# KiCad board keyboard.kicad_pcb
title: Entropy; date: 2020-12-25; rev: 0.2; company: Josh Johnson
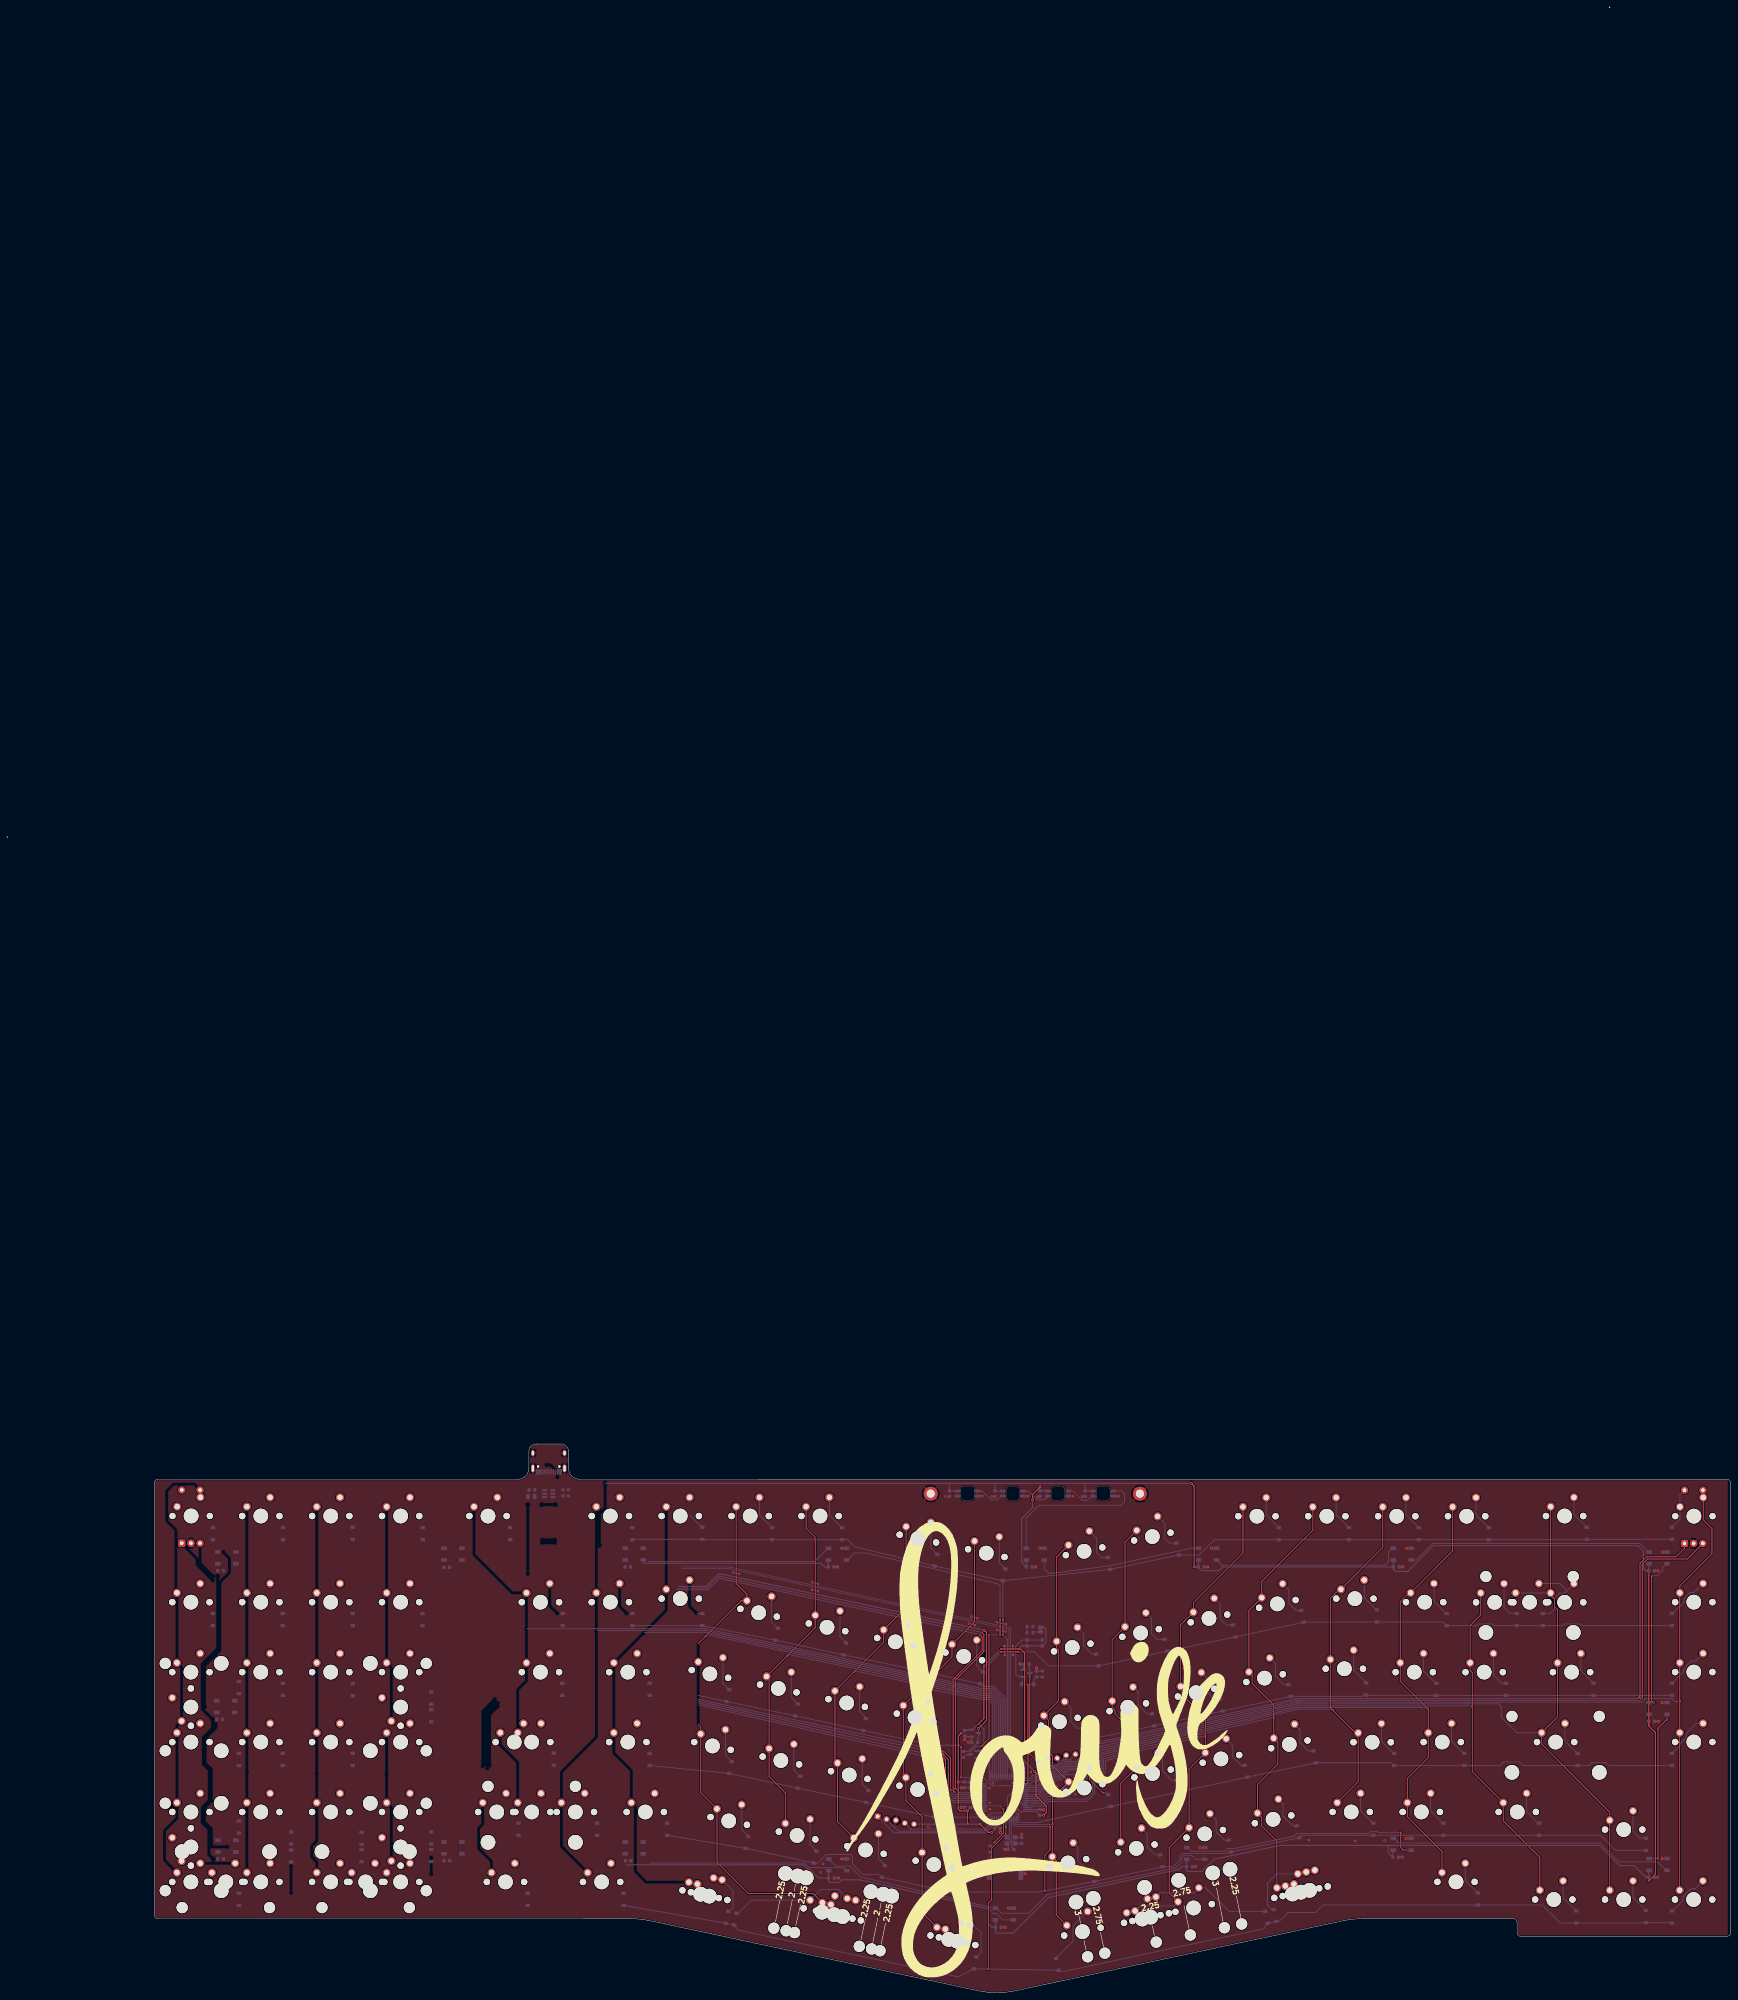
[diagram p0: board, top side]
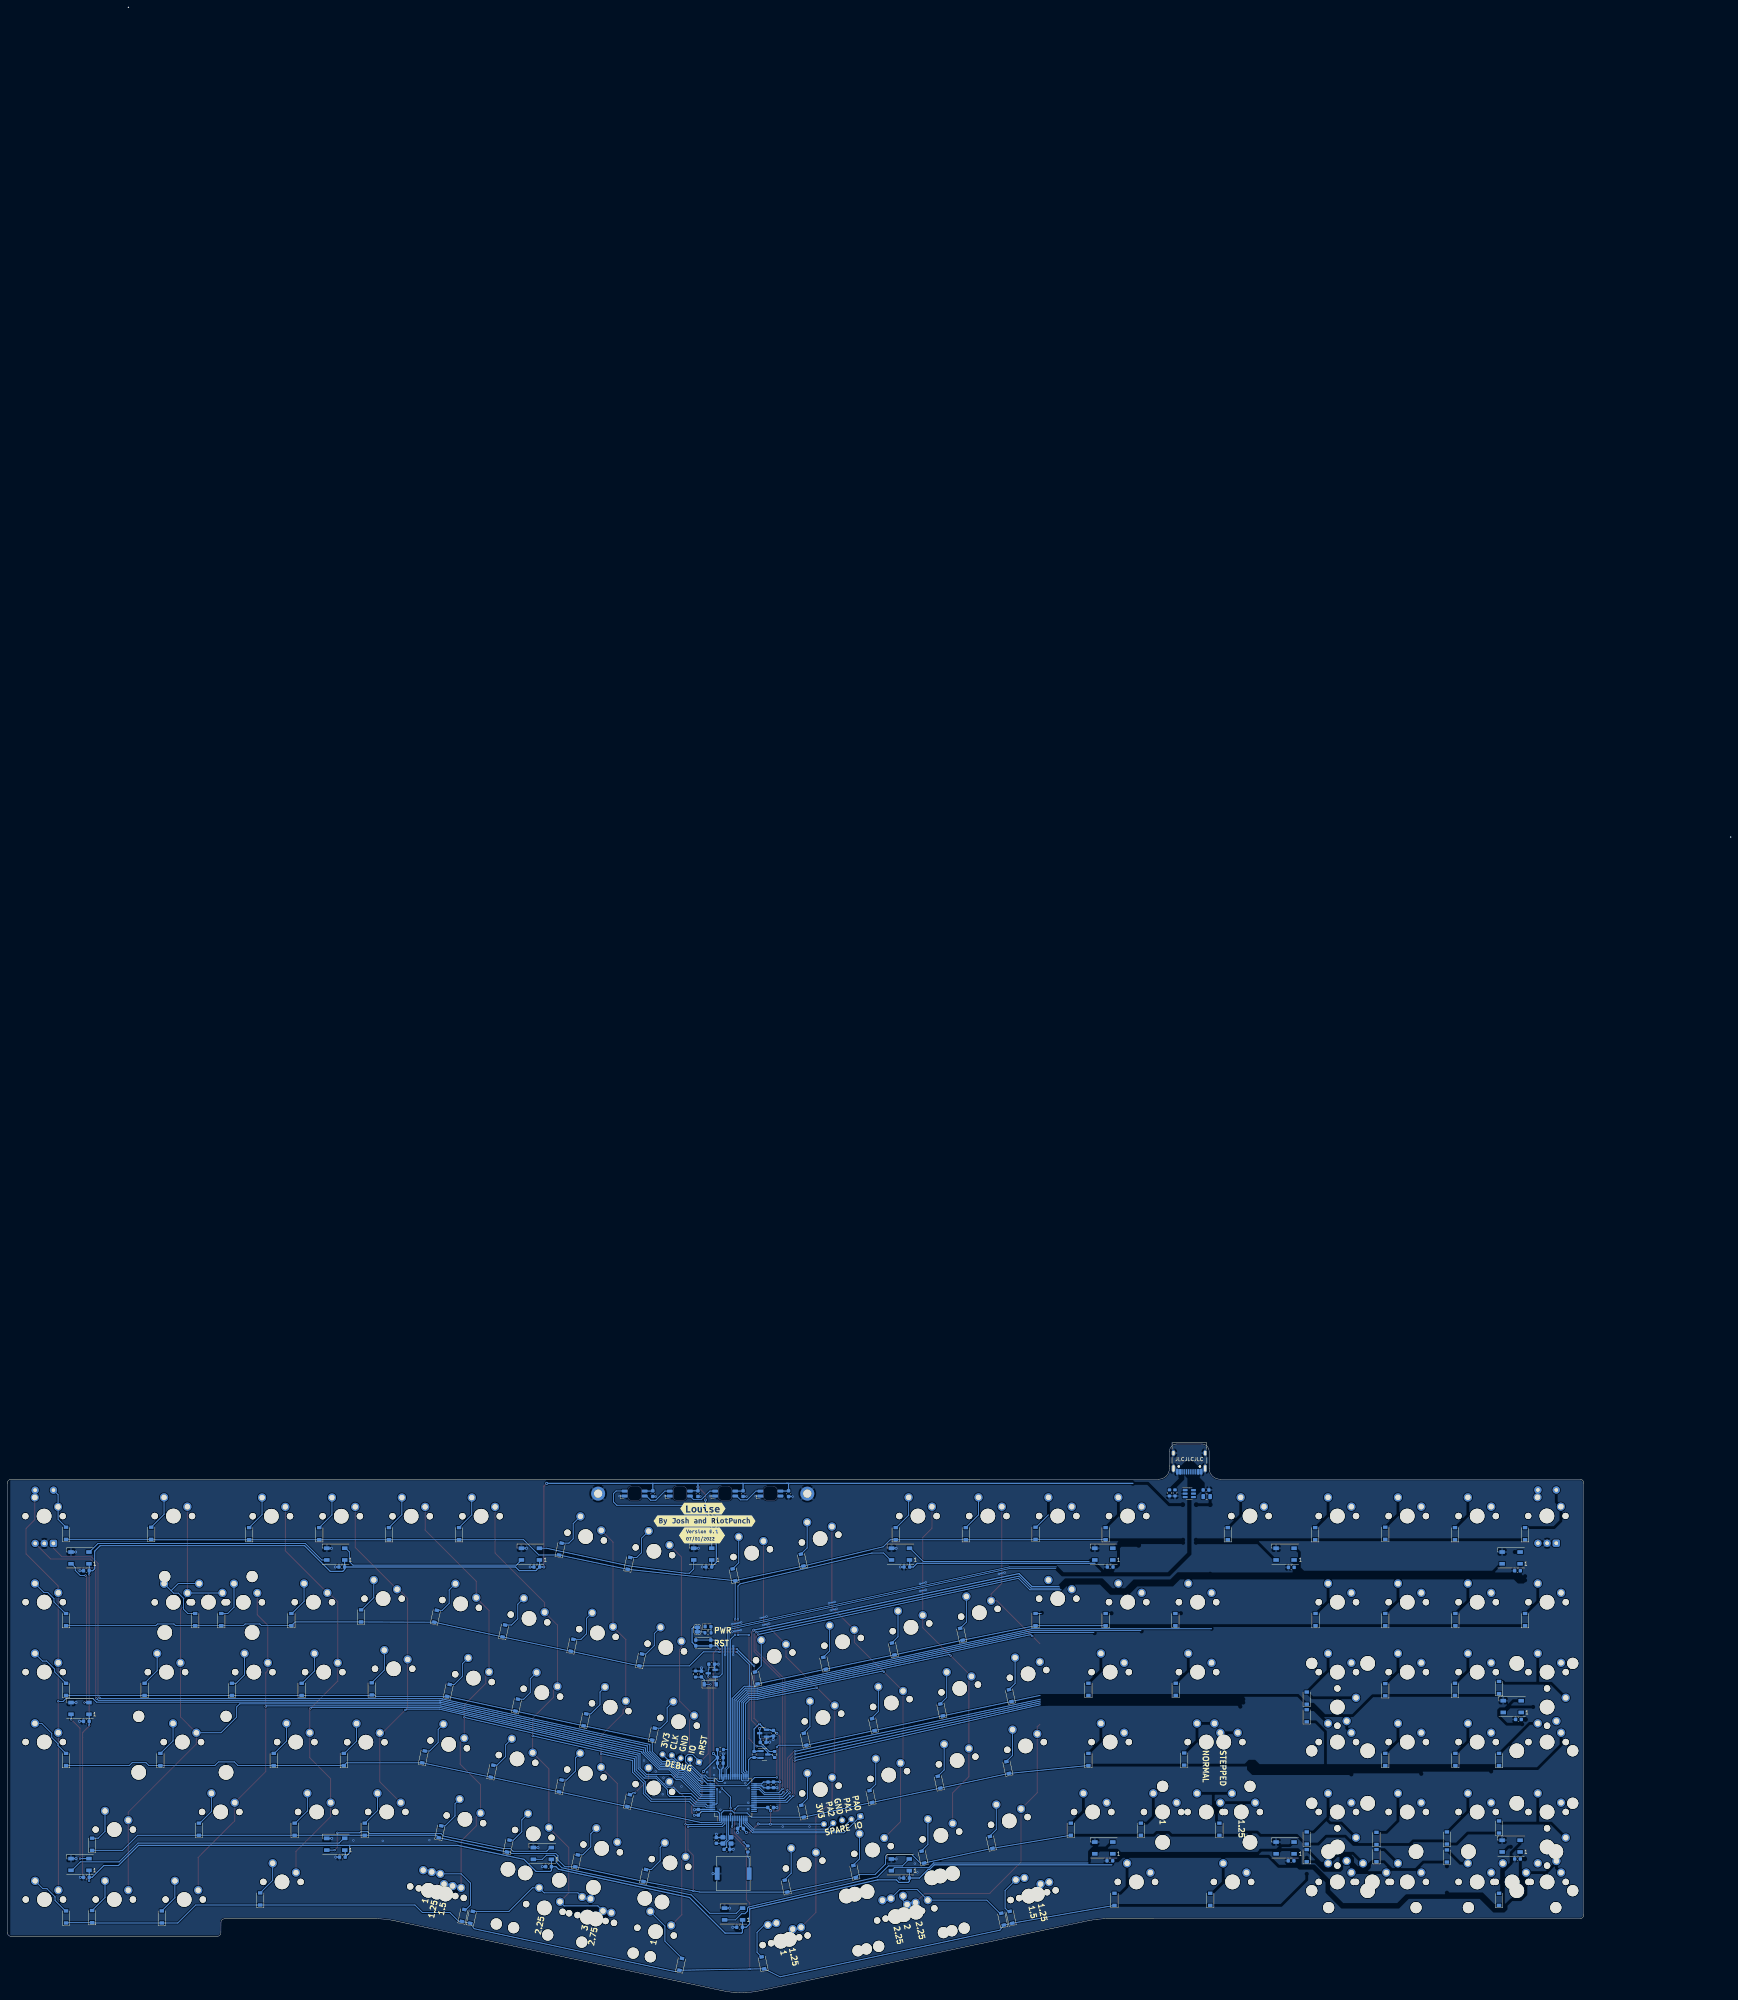
[diagram p1: board, bottom side, seen from below]

Outline 469.63 x 540.74 mm; copper layers: Top, Bottom. Coordinates in mm from the lower left corner of the outline.
Outline path: 40.02,138.84 40.03,21.14 arc(40.32,20.44) 41.03,20.14 169.89,20.14 arc(172.51,20) 175.1,19.59 264.41,0.55 arc(269.62,0) 274.84,0.55 364.04,19.59 arc(366.64,20) 369.26,20.14 410.42,20.13 arc(411.12,19.84) 411.42,19.13 411.43,16.34 arc(411.72,15.63) 412.43,15.34 468.63,15.34 arc(469.33,15.64) 469.63,16.34 469.62,138.83 arc(469.33,139.54) 468.62,139.83 155.93,139.84 arc(153.8,140.72) 152.93,142.84 152.93,147.44 arc(152.34,148.85) 150.93,149.44 144.12,149.44 arc(142.71,148.85) 142.12,147.44 142.12,142.84 arc(141.25,140.72) 139.12,139.84 41.02,139.84 arc(40.32,139.54) 40.02,138.84
Stack: Top 0.035mm / dielectric 1.51mm FR4 er 4.5 / Bottom 0.035mm

## Placement (name value [footprint] x y rotation side)
BZ1  Buzzer  [Buzzer_Murata_PKMCS0909E]  271.82 32.42 0 bottom
C1  100n  [C_0603_1608Metric]  224.49 115.94 180 bottom
C2  100n  [C_0603_1608Metric]  378.49 115.94 180 bottom
C3  100n  [C_0603_1608Metric]  448.09 114.92 180 bottom
C4  100n  [C_0603_1608Metric]  448.09 73.92 180 bottom
C5  100n  [C_0603_1608Metric]  448.09 31.42 180 bottom
C6  100n  [C_0603_1608Metric]  378.32 36.92 180 bottom
C7  4u7  [C_0603_1608Metric]  142.96 136.92 0 bottom
C8  100n  [C_0603_1608Metric]  322.14 34.32 180 bottom
C9  100n  [C_0603_1608Metric]  270.08 17.82 180 bottom
C10  100n  [C_0603_1608Metric]  224.58 31.22 180 bottom
C11  100n  [C_0603_1608Metric]  169.18 35.92 180 bottom
C12  4u7  [C_0603_1608Metric]  263.66 68.17 0 bottom
C13  100n  [C_0603_1608Metric]  119.79 35.92 180 bottom
C14  100n  [C_0603_1608Metric]  58.09 36.42 180 bottom
C15  4u7  [C_0603_1608Metric]  260.86 70.67 90 bottom
C16  100n  [C_0603_1608Metric]  57.83 74.42 180 bottom
C17  100n  [C_0603_1608Metric]  58.09 114.92 180 bottom
C18  100n  [C_0603_1608Metric]  169.09 115.94 180 bottom
C19  100n  [C_0603_1608Metric]  325.34 115.94 180 bottom
C20  100n  [C_0603_1608Metric]  293.73 135.92 90 bottom
C21  100n  [C_0603_1608Metric]  256.73 135.92 90 bottom
C22  100n  [C_0603_1608Metric]  281.43 135.92 90 bottom
C23  100n  [C_0603_1608Metric]  269.12 135.92 90 bottom
C24  4u7  [C_0603_1608Metric]  277.68 89.48 180 bottom
C25  10u  [C_0603_1608Metric]  280.48 86.78 90 bottom
C26  15p  [C_0603_1608Metric]  276.43 41.47 90 bottom
C27  15p  [C_0603_1608Metric]  273.53 39.02 180 bottom
C28  4u7  [C_0603_1608Metric]  260.82 56.62 270 bottom
C29  4u7  [C_0603_1608Metric]  275.32 64.02 180 bottom
C30  100n  [C_0603_1608Metric]  269.82 44.72 0 bottom
C31  100n  [C_0603_1608Metric]  281.32 49.12 90 bottom
C32  100n  [C_0603_1608Metric]  275.32 62.52 180 bottom
C33  100n  [C_0603_1608Metric]  262.32 56.59 270 bottom
C34  100n  [C_0603_1608Metric]  261.62 50.42 180 bottom
C35  100n  [C_0603_1608Metric]  119.73 115.84 180 bottom
C36  100n  [C_0603_1608Metric]  278.45 115.94 180 bottom
D1  1N4148  [D_SOD-123]  56.02 101.62 90 bottom
D2  1N4148  [D_SOD-123]  63.12 83.12 90 bottom
D3  1N4148  [D_SOD-123]  63.12 63.52 90 bottom
D4  1N4148  [D_SOD-123]  63.12 45.12 90 bottom
D5  1N4148  [D_SOD-123]  63.12 25.42 90 bottom
D6  1N4148  [D_SOD-123]  56.02 125.02 90 bottom
D7  WS2812B  [LED_WS2812B_PLCC4_5.0x5.0mm_P3.2mm]  226.23 119.44 0 bottom
D8  WS2812B  [LED_WS2812B_PLCC4_5.0x5.0mm_P3.2mm]  380.12 40.42 0 bottom
D9  WS2812B  [LED_WS2812B_PLCC4_5.0x5.0mm_P3.2mm]  170.82 119.44 0 bottom
D10  WS2812B  [LED_WS2812B_PLCC4_5.0x5.0mm_P3.2mm]  449.82 34.92 0 bottom
D11  1N4148  [D_SOD-123]  75.12 125.02 90 bottom
D12  1N4148  [D_SOD-123]  75.02 101.62 90 bottom
D13  1N4148  [D_SOD-123]  75.12 82.62 90 bottom
D14  1N4148  [D_SOD-123]  75.02 63.52 90 bottom
D15  1N4148  [D_SOD-123]  77.33 42.12 90 bottom
D16  1N4148  [D_SOD-123]  77.33 37.22 90 bottom
D17  WS2812B  [LED_WS2812B_PLCC4_5.0x5.0mm_P3.2mm]  59.83 118.42 0 bottom
D18  WS2812B  [LED_WS2812B_PLCC4_5.0x5.0mm_P3.2mm]  449.82 77.42 0 bottom
D19  WS2812B  [LED_WS2812B_PLCC4_5.0x5.0mm_P3.2mm]  59.52 77.92 0 bottom
D20  WS2812B  [LED_WS2812B_PLCC4_5.0x5.0mm_P3.2mm]  449.82 118.42 0 bottom
D21  1N4148  [D_SOD-123]  94.12 125.12 90 bottom
D22  1N4148  [D_SOD-123]  94.12 101.62 90 bottom
D23  1N4148  [D_SOD-123]  94.12 82.52 90 bottom
D24  1N4148  [D_SOD-123]  94.12 63.52 90 bottom
D25  1N4148  [D_SOD-123]  96.52 42.02 90 bottom
D26  1N4148  [D_SOD-123]  96.52 37.32 90 bottom
D27  WS2812B  [LED_WS2812B_PLCC4_5.0x5.0mm_P3.2mm]  59.83 39.92 0 bottom
D28  WS2812B  [LED_WS2812B_PLCC4_5.0x5.0mm_P3.2mm]  380.12 119.44 0 bottom
D29  1N4148  [D_SOD-123]  113.23 125.02 90 bottom
D30  1N4148  [D_SOD-123]  113.12 101.62 90 bottom
D31  1N4148  [D_SOD-123]  115.52 80.22 90 bottom
D32  1N4148  [D_SOD-123]  115.52 75.42 90 bottom
D33  1N4148  [D_SOD-123]  115.52 42.12 90 bottom
D34  1N4148  [D_SOD-123]  115.52 37.32 90 bottom
D35  WS2812B  [LED_WS2812B_PLCC4_5.0x5.0mm_P3.2mm]  121.42 39.42 0 bottom
D36  WS2812B  [LED_WS2812B_PLCC4_5.0x5.0mm_P3.2mm]  327.07 119.44 0 bottom
D37  WS2812B  [LED_WS2812B_PLCC4_5.0x5.0mm_P3.2mm]  170.82 39.42 0 bottom
D38  1N4148  [D_SOD-123]  137.02 125.02 90 bottom
D39  1N4148  [D_SOD-123]  151.32 101.62 90 bottom
D40  1N4148  [D_SOD-123]  151.23 82.62 90 bottom
D41  1N4148  [D_SOD-123]  148.93 63.62 90 bottom
D42  1N4148  [D_SOD-123]  139.32 44.52 90 bottom
D43  1N4148  [D_SOD-123]  141.82 25.42 90 bottom
D44  SK6812-MINI-E  [SK8612-MINI-E]  298.62 135.92 0 top
D45  WS2812B  [LED_WS2812B_PLCC4_5.0x5.0mm_P3.2mm]  226.28 34.82 0 bottom
D46  SK6812-MINI-E  [SK8612-MINI-E]  286.29 135.92 0 top
D47  1N4148  [D_SOD-123]  170.32 125.02 90 bottom
D48  1N4148  [D_SOD-123]  170.32 101.62 90 bottom
D49  1N4148  [D_SOD-123]  160.73 44.52 90 bottom
D50  1N4148  [D_SOD-123]  167.93 25.42 90 bottom
D51  WS2812B  [LED_WS2812B_PLCC4_5.0x5.0mm_P3.2mm]  271.73 21.42 0 bottom
D52  SK6812-MINI-E  [SK8612-MINI-E]  273.96 135.92 0 top
D53  WS2812B  [LED_WS2812B_PLCC4_5.0x5.0mm_P3.2mm]  323.82 37.92 0 bottom
D54  1N4148  [D_SOD-123]  189.43 125.12 90 bottom
D55  1N4148  [D_SOD-123]  189.43 101.62 90 bottom
D56  1N4148  [D_SOD-123]  175.02 82.62 90 bottom
D57  1N4148  [D_SOD-123]  175.02 63.52 90 bottom
D58  1N4148  [D_SOD-123]  179.82 44.52 90 bottom
D59  1N4148  [D_SOD-123]  196.12 20.52 78 bottom
D60  SK6812-MINI-E  [SK8612-MINI-E]  261.62 135.92 0 top
D61  1N4148  [D_SOD-123]  208.43 125.02 90 bottom
D62  1N4148  [D_SOD-123]  209.62 97.62 78 bottom
D63  1N4148  [D_SOD-123]  196.32 80.92 78 bottom
D64  1N4148  [D_SOD-123]  197.02 61.32 78 bottom
D65  1N4148  [D_SOD-123]  201.52 40.92 78 bottom
D66  1N4148  [D_SOD-123]  198.43 20.02 78 bottom
D67  1N4148  [D_SOD-123]  227.53 125.02 90 bottom
D68  1N4148  [D_SOD-123]  228.23 93.62 78 bottom
D69  1N4148  [D_SOD-123]  215.03 77.02 78 bottom
D70  1N4148  [D_SOD-123]  215.73 57.32 78 bottom
D71  1N4148  [D_SOD-123]  220.12 36.92 78 bottom
D72  1N4148  [D_SOD-123]  263.73 8.12 78 bottom
D73  1N4148  [D_SOD-123]  278.07 83.98 180 bottom
D74  1N4148  [D_SOD-123]  253.03 117.82 78 bottom
D75  1N4148  [D_SOD-123]  246.93 89.72 78 bottom
D76  1N4148  [D_SOD-123]  233.62 73.02 78 bottom
D77  1N4148  [D_SOD-123]  234.32 53.42 78 bottom
D78  1N4148  [D_SOD-123]  238.73 33.02 78 bottom
D79  1N4148  [D_SOD-123]  286.12 7.72 102 bottom
D80  1N4148  [D_SOD-123]  271.62 113.82 78 bottom
D81  1N4148  [D_SOD-123]  265.53 85.72 78 bottom
D82  1N4148  [D_SOD-123]  252.23 69.02 78 bottom
D83  1N4148  [D_SOD-123]  252.93 49.42 78 bottom
D84  1N4148  [D_SOD-123]  257.43 29.02 78 bottom
D85  1N4148  [D_SOD-123]  343.12 20.52 102 bottom
D86  1N4148  [D_SOD-123]  300.23 116.92 102 bottom
D87  1N4148  [D_SOD-123]  297.03 90.62 102 bottom
D88  1N4148  [D_SOD-123]  293.53 70.42 102 bottom
D89  1N4148  [D_SOD-123]  300.32 52.32 102 bottom
D90  1N4148  [D_SOD-123]  295.93 31.92 102 bottom
D91  1N4148  [D_SOD-123]  318.93 120.82 102 bottom
D92  1N4148  [D_SOD-123]  315.73 94.62 102 bottom
D93  1N4148  [D_SOD-123]  312.23 74.32 102 bottom
D94  1N4148  [D_SOD-123]  318.93 56.32 102 bottom
D95  1N4148  [D_SOD-123]  314.53 35.92 102 bottom
D96  1N4148  [D_SOD-123]  345.43 21.02 102 bottom
D97  BLUE  [LED_0603_1608Metric]  278.68 99.69 180 bottom
D98  1N4148  [D_SOD-123]  346.53 125.02 90 bottom
D99  1N4148  [D_SOD-123]  334.32 98.52 102 bottom
D100  1N4148  [D_SOD-123]  330.82 78.32 102 bottom
D101  1N4148  [D_SOD-123]  337.53 60.32 102 bottom
D102  1N4148  [D_SOD-123]  333.12 39.92 102 bottom
D103  1N4148  [D_SOD-123]  365.62 125.02 90 bottom
D104  1N4148  [D_SOD-123]  352.93 102.52 102 bottom
D105  1N4148  [D_SOD-123]  349.43 82.32 102 bottom
D106  1N4148  [D_SOD-123]  356.23 64.22 102 bottom
D107  1N4148  [D_SOD-123]  351.73 43.82 102 bottom
D108  1N4148  [D_SOD-123]  384.62 125.02 90 bottom
D109  1N4148  [D_SOD-123]  373.23 102.62 90 bottom
D110  1N4148  [D_SOD-123]  370.32 82.74 90 bottom
D111  1N4148  [D_SOD-123]  377.93 63.52 90 bottom
D112  1N4148  [D_SOD-123]  372.23 44.52 90 bottom
D113  1N4148  [D_SOD-123]  400.73 25.52 90 bottom
D114  1N4148  [D_SOD-123]  403.73 125.02 90 bottom
D115  1N4148  [D_SOD-123]  392.23 101.62 90 bottom
D116  1N4148  [D_SOD-123]  389.43 82.62 90 bottom
D117  1N4148  [D_SOD-123]  397.03 63.52 90 bottom
D118  1N4148  [D_SOD-123]  391.32 44.52 90 bottom
D119  1N4148  [D_SOD-123]  427.53 20.62 90 bottom
D120  1N4148  [D_SOD-123]  430.43 125.12 90 bottom
D121  1N4148  [D_SOD-123]  411.32 101.62 90 bottom
D122  1N4148  [D_SOD-123]  408.43 82.62 90 bottom
D123  1N4148  [D_SOD-123]  427.93 63.52 90 bottom
D124  1N4148  [D_SOD-123]  417.43 44.52 90 bottom
D125  1N4148  [D_SOD-123]  446.53 20.72 90 bottom
D126  1N4148  [D_SOD-123]  418.43 101.62 90 bottom
D127  1N4148  [D_SOD-123]  432.23 82.62 90 bottom
D128  1N4148  [D_SOD-123]  446.53 40.42 90 bottom
D129  1N4148  [D_SOD-123]  453.62 20.62 90 bottom
D130  1N4148  [D_SOD-123]  453.62 101.62 90 bottom
D131  1N4148  [D_SOD-123]  453.62 82.62 90 bottom
D132  1N4148  [D_SOD-123]  453.62 63.52 90 bottom
D133  1N4148  [D_SOD-123]  453.62 125.12 90 bottom
D134  WS2812B  [LED_WS2812B_PLCC4_5.0x5.0mm_P3.2mm]  280.12 119.44 0 bottom
D135  WS2812B  [LED_WS2812B_PLCC4_5.0x5.0mm_P3.2mm]  121.42 119.44 0 bottom
F1  500mA  [Fuse_0805_2012Metric]  142.79 135.12 0 bottom
H1  M2  [MountingHole_2.2mm_M2_DIN965_Pad]  251.62 135.92 0 top
H2  M2  [MountingHole_2.2mm_M2_DIN965_Pad]  308.62 135.92 0 top
J1  USB_C_Receptacle_USB2.0  [USB_C_Receptacle_HRO_TYPE-C-31-M-12]  147.52 145.92 0 bottom
J2  SWD  [5_PIN_THT_Staggered]  281.12 62.92 282 bottom
J3  SPARE  [5_PIN_THT_Staggered]  237.13 47.88 78 top
JP1  SHORT  [SolderJumper-2_P1.3mm_Bridged_RoundedPad1.0x1.5mm]  281.57 98.89 90 bottom
kibuzzard-61D50A52  G***  [kibuzzard-61D50A52]  280.32 124.54 180 bottom
kibuzzard-61D50AA1  G***  [kibuzzard-61D50AA1]  280.07 131.84 180 bottom
kibuzzard-61D57EF9  G***  [kibuzzard-61D57EF9]  279.62 128.44 180 bottom
LOGO2  LOUISE  [louise]  284.23 67.54 0 top
LOGO3  OSHW Logo  [OSHW-Logo2_9.8x8mm_Mask]  279.93 108.31 180 bottom
Q1  2N7002  [SOT-23]  263.32 64.87 180 bottom
Q2  DTC123J  [SOT-23]  277.68 86.98 0 bottom
R1  5K1  [R_0603_1608Metric]  266.12 64.87 270 bottom
R2  5K1  [R_0603_1608Metric]  260.53 64.87 270 bottom
R3  5K1  [R_0603_1608Metric]  152.93 136.12 90 bottom
R4  5K1  [R_0603_1608Metric]  151.43 136.12 270 bottom
R5  100K  [R_0603_1608Metric]  282.07 86.78 90 bottom
R6  5K1  [R_0603_1608Metric]  278.68 97.99 180 bottom
R7  1K5  [R_0603_1608Metric]  275.32 66.22 180 bottom
R8  22R  [R_0603_1608Metric]  267.82 39.14 270 bottom
SW1  RotaryEncoder_Switch  [MX_KEYSWITCH_ENCODER]  50.02 129.82 0 top
SW2  KEYSW  [MXOnly-1U-NoLED]  50.02 68.26 0 top
SW3  KEYSW  [MXOnly-2U-NoLED]  50.02 39.68 90 top
SW4  KEYSW  [MXOnly-1U-NoLED]  50.02 30.16 0 top
SW5  KEYSW  [MXOnly-1U-NoLED]  50.02 106.36 0 top
SW6  KEYSW  [MXOnly-1U-NoLED]  50.02 87.31 0 top
SW7  KEYSW  [MXOnly-2U-NoLED]  50.02 77.78 90 top
SW8  KEYSW  [MXOnly-1U-NoLED]  50.02 49.21 0 top
SW9  KEYSW  [MXOnly-2U-ReversedStabilizers-NoLED]  59.55 30.16 0 top
SW10  KEYSW  [MXOnly-1U-NoLED]  69.08 129.82 0 top
SW11  KEYSW  [MXOnly-1U-NoLED]  69.08 106.36 0 top
SW12  KEYSW  [MXOnly-1U-NoLED]  69.08 87.31 0 top
SW13  KEYSW  [MXOnly-1U-NoLED]  69.08 68.26 0 top
SW14  KEYSW  [MXOnly-1U-NoLED]  69.08 49.21 0 top
SW15  KEYSW  [MXOnly-1U-NoLED]  69.08 30.16 0 top
SW16  KEYSW  [MXOnly-1U-NoLED]  88.12 129.82 0 top
SW17  KEYSW  [MXOnly-1U-NoLED]  88.12 106.36 0 top
SW18  KEYSW  [MXOnly-1U-NoLED]  88.12 87.31 0 top
SW19  KEYSW  [MXOnly-1U-NoLED]  88.12 68.26 0 top
SW20  KEYSW  [MXOnly-1U-NoLED]  88.12 49.21 0 top
SW21  KEYSW  [MXOnly-1U-NoLED]  88.12 30.16 0 top
SW22  KEYSW  [MXOnly-2U-ReversedStabilizers-NoLED]  107.17 77.78 90 top
SW23  KEYSW  [MXOnly-2U-ReversedStabilizers-NoLED]  107.17 39.68 90 top
SW24  KEYSW  [MXOnly-1U-NoLED]  107.17 30.16 0 top
SW25  KEYSW  [MXOnly-1U-NoLED]  107.17 129.82 0 top
SW26  KEYSW  [MXOnly-1U-NoLED]  107.17 106.36 0 top
SW27  KEYSW  [MXOnly-1U-NoLED]  107.17 87.31 0 top
SW28  KEYSW  [MXOnly-1U-NoLED]  107.17 68.26 0 top
SW29  KEYSW  [MXOnly-1U-NoLED]  107.17 49.21 0 top
SW30  KEYSW  [MXOnly-2U-ReversedStabilizers-NoLED]  97.65 30.16 0 top
SW31  KEYSW  [MXOnly-1.25U-NoLED]  138.13 68.26 0 top
SW32  KEYSW  [MXOnly-2.25U-NoLED]  142.89 49.21 0 top
SW33  KEYSW  [MXOnly-1U-NoLED]  130.99 129.82 0 top
SW34  KEYSW  [MXOnly-1U-NoLED]  145.27 106.36 0 top
SW35  KEYSW  [MXOnly-1.5U-NoLED]  145.27 87.31 0 top
SW36  KEYSW  [MXOnly-1.75U-NoLED]  142.89 68.26 0 top
SW37  KEYSW  [MXOnly-1.25U-NoLED]  133.37 49.21 0 top
SW38  KEYSW  [MXOnly-1.5U-NoLED]  135.75 30.16 0 top
SW39  KEYSW  [MXOnly-1U-NoLED]  164.32 129.82 0 top
SW40  KEYSW  [MXOnly-1U-NoLED]  164.32 106.37 0 top
SW41  KEYSW  [MXOnly-1U-NoLED]  154.8 49.21 0 top
SW42  KEYSW  [MXOnly-1.25U-NoLED]  161.94 30.16 0 top
SW43  KEYSW  [MXOnly-1U-NoLED]  183.38 129.82 0 top
SW44  KEYSW  [MXOnly-1U-NoLED]  183.38 107.32 0 top
SW45  KEYSW  [MXOnly-1U-NoLED]  169.09 87.31 0 top
SW46  KEYSW  [MXOnly-1U-NoLED]  169.09 68.26 0 top
SW47  KEYSW  [MXOnly-1U-NoLED]  173.85 49.21 0 top
SW48  KEYSW  [MXOnly-1.5U-NoLED]  191.25 26.29 348 top
SW49  KEYSW  [MXOnly-2.25U-ReversedStabilizers-NoLED]  227.62 20.72 348 top
SW50  KEYSW  [MXOnly-1U-NoLED]  202.43 129.82 0 top
SW51  KEYSW  [MXOnly-1U-NoLED]  204.74 103.47 348 top
SW52  KEYSW  [MXOnly-1U-NoLED]  191.46 86.82 348 top
SW53  KEYSW  [MXOnly-1U-NoLED]  192.16 67.19 348 top
SW54  KEYSW  [MXOnly-1U-NoLED]  196.58 46.78 348 top
SW55  KEYSW  [MXOnly-2U-ReversedStabilizers-NoLED]  225.32 21.22 348 top
SW56  KEYSW  [MXOnly-1U-NoLED]  258.82 14.02 348 top
SW57  KMR2  [SW_Push_KMR2]  279.98 95.24 0 bottom
SW58  KEYSW  [MXOnly-1U-NoLED]  221.48 129.82 0 top
SW59  KEYSW  [MXOnly-1U-NoLED]  223.37 99.51 348 top
SW60  KEYSW  [MXOnly-1U-NoLED]  210.09 82.86 348 top
SW61  KEYSW  [MXOnly-1U-NoLED]  210.79 63.23 348 top
SW62  KEYSW  [MXOnly-1U-NoLED]  215.22 42.82 348 top
SW63  KEYSW  [MXOnly-1.25U-NoLED]  256.53 14.52 348 top
SW64  KEYSW  [MXOnly-1U-NoLED]  248.12 123.67 348 top
SW65  KEYSW  [MXOnly-1U-NoLED]  242 95.55 348 top
SW66  KEYSW  [MXOnly-1U-NoLED]  228.73 78.9 348 top
SW67  KEYSW  [MXOnly-1U-NoLED]  229.43 59.27 348 top
SW68  KEYSW  [MXOnly-1U-NoLED]  233.85 38.86 348 top
SW69  KEYSW  [MXOnly-1U-NoLED]  292.98 16.62 12 top
SW70  KEYSW  [MXOnly-3U-ReversedStabilizers-NoLED]  311.57 20.57 12 top
SW71  KEYSW  [MXOnly-2.25U-ReversedStabilizers-NoLED]  323.28 23.07 12 top
SW72  KEYSW  [MXOnly-1U-NoLED]  266.78 119.72 348 top
SW73  KEYSW  [MXOnly-1U-NoLED]  260.64 91.59 348 top
SW74  KEYSW  [MXOnly-1U-NoLED]  247.36 74.94 348 top
SW75  KEYSW  [MXOnly-1U-NoLED]  248.06 55.31 348 top
SW76  KEYSW  [MXOnly-1U-NoLED]  252.48 34.9 348 top
SW77  KEYSW  [MXOnly-2.75U-ReversedStabilizers-NoLED]  309.28 20.07 12 top
SW78  KEYSW  [MXOnly-1U-NoLED]  293.43 120.22 12 top
SW79  KEYSW  [MXOnly-1U-NoLED]  290.19 94 12 top
SW80  KEYSW  [MXOnly-1U-NoLED]  286.7 73.79 12 top
SW81  KEYSW  [MXOnly-1U-NoLED]  293.46 55.75 12 top
SW82  KEYSW  [MXOnly-1U-NoLED]  289.03 35.33 12 top
SW83  KEYSW  [MXOnly-1U-NoLED]  354.88 27.87 12 top
SW84  KEYSW  [MXOnly-1.25U-NoLED]  352.53 27.37 12 top
SW85  KEYSW  [MXOnly-1U-NoLED]  312.03 124.22 12 top
SW86  KEYSW  [MXOnly-1U-NoLED]  308.83 97.96 12 top
SW87  KEYSW  [MXOnly-1U-NoLED]  305.34 77.75 12 top
SW88  KEYSW  [MXOnly-1U-NoLED]  312.09 59.71 12 top
SW89  KEYSW  [MXOnly-1U-NoLED]  307.67 39.29 12 top
SW90  KEYSW  [MXOnly-1.5U-NoLED]  350.23 26.87 12 top
SW91  KEYSW  [MXOnly-1U-NoLED]  340.53 129.77 0 top
SW92  KEYSW  [MXOnly-1U-NoLED]  327.46 101.93 12 top
SW93  KEYSW  [MXOnly-1U-NoLED]  323.97 81.71 12 top
SW94  KEYSW  [MXOnly-1U-NoLED]  330.73 63.67 12 top
SW95  KEYSW  [MXOnly-1U-NoLED]  326.3 43.25 12 top
SW96  KEYSW  [MXOnly-1U-NoLED]  359.57 129.77 0 top
SW97  KEYSW  [MXOnly-1U-NoLED]  346.1 105.89 12 top
SW98  KEYSW  [MXOnly-1U-NoLED]  342.6 85.67 12 top
SW99  KEYSW  [MXOnly-1U-NoLED]  349.36 67.63 12 top
SW100  KEYSW  [MXOnly-1U-NoLED]  344.93 47.21 12 top
SW101  KEYSW  [MXOnly-1U-NoLED]  378.62 129.77 0 top
SW102  KEYSW  [MXOnly-1U-NoLED]  367.23 107.32 0 top
SW103  KEYSW  [MXOnly-1U-NoLED]  364.35 88.22 0 top
SW104  KEYSW  [MXOnly-1U-NoLED]  371.93 68.22 0 top
SW105  KEYSW  [MXOnly-1U-NoLED]  366.23 49.22 0 top
SW106  KEYSW  [MXOnly-1.5U-NoLED]  394.78 30.17 0 top
SW107  KEYSW  [MXOnly-1U-NoLED]  397.68 129.77 0 top
SW108  KEYSW  [MXOnly-1U-NoLED]  386.23 106.36 0 top
SW109  KEYSW  [MXOnly-1U-NoLED]  383.4 87.31 0 top
SW110  KEYSW  [MXOnly-1U-NoLED]  391.03 68.26 0 top
SW111  KEYSW  [MXOnly-1U-NoLED]  385.32 49.22 0 top
SW112  KEYSW  [MXOnly-1U-NoLED]  421.43 25.37 0 top
SW113  KEYSW  [MXOnly-1U-NoLED]  424.38 129.82 0 top
SW114  KEYSW  [MXOnly-1U-NoLED]  405.32 106.32 0 top
SW115  KEYSW  [MXOnly-1U-NoLED]  402.45 87.31 0 top
SW116  KEYSW  [MXOnly-2.25U-NoLED]  421.93 68.26 0 top
SW117  KEYSW  [MXOnly-1.75U-NoLED]  411.48 49.22 0 top
SW118  KEYSW  [MXOnly-1U-NoLED]  440.48 25.37 0 top
SW119  KEYSW  [MXOnly-1U-NoLED]  424.38 106.32 0 top
SW120  KEYSW  [MXOnly-2U-NoLED]  414.82 106.36 0 top
SW121  KEYSW  [MXOnly-1.5U-NoLED]  426.26 87.31 0 top
SW122  KEYSW  [MXOnly-1U-NoLED]  440.48 44.42 0 top
SW123  KEYSW  [MXOnly-1U-NoLED]  459.53 25.37 0 top
SW124  RotaryEncoder_Switch  [MX_KEYSWITCH_ENCODER]  459.55 129.77 0 top
SW125  KEYSW  [MXOnly-1U-NoLED]  459.57 106.37 0 top
SW126  KEYSW  [MXOnly-1U-NoLED]  459.57 87.32 0 top
SW127  KEYSW  [MXOnly-1U-NoLED]  459.57 68.27 0 top
SW128  KEYSW  [MXOnly-1.25U-NoLED]  188.93 26.82 348 top
SW129  KEYSW  [MXOnly-2.25U-ReversedStabilizers-NoLED]  221.98 21.92 348 top
U1  SRV05-4  [SOT-23-6]  147.52 135.92 180 bottom
U2  XC6206P332MR  [SOT-23]  263.66 70.67 0 bottom
U3  STM32F303CBT6  [LQFP-64_10x10mm_P0.5mm]  271.82 53.12 90 bottom